# KiCad board A64-OlinuXino_Rev_E.kicad_pcb (continued)
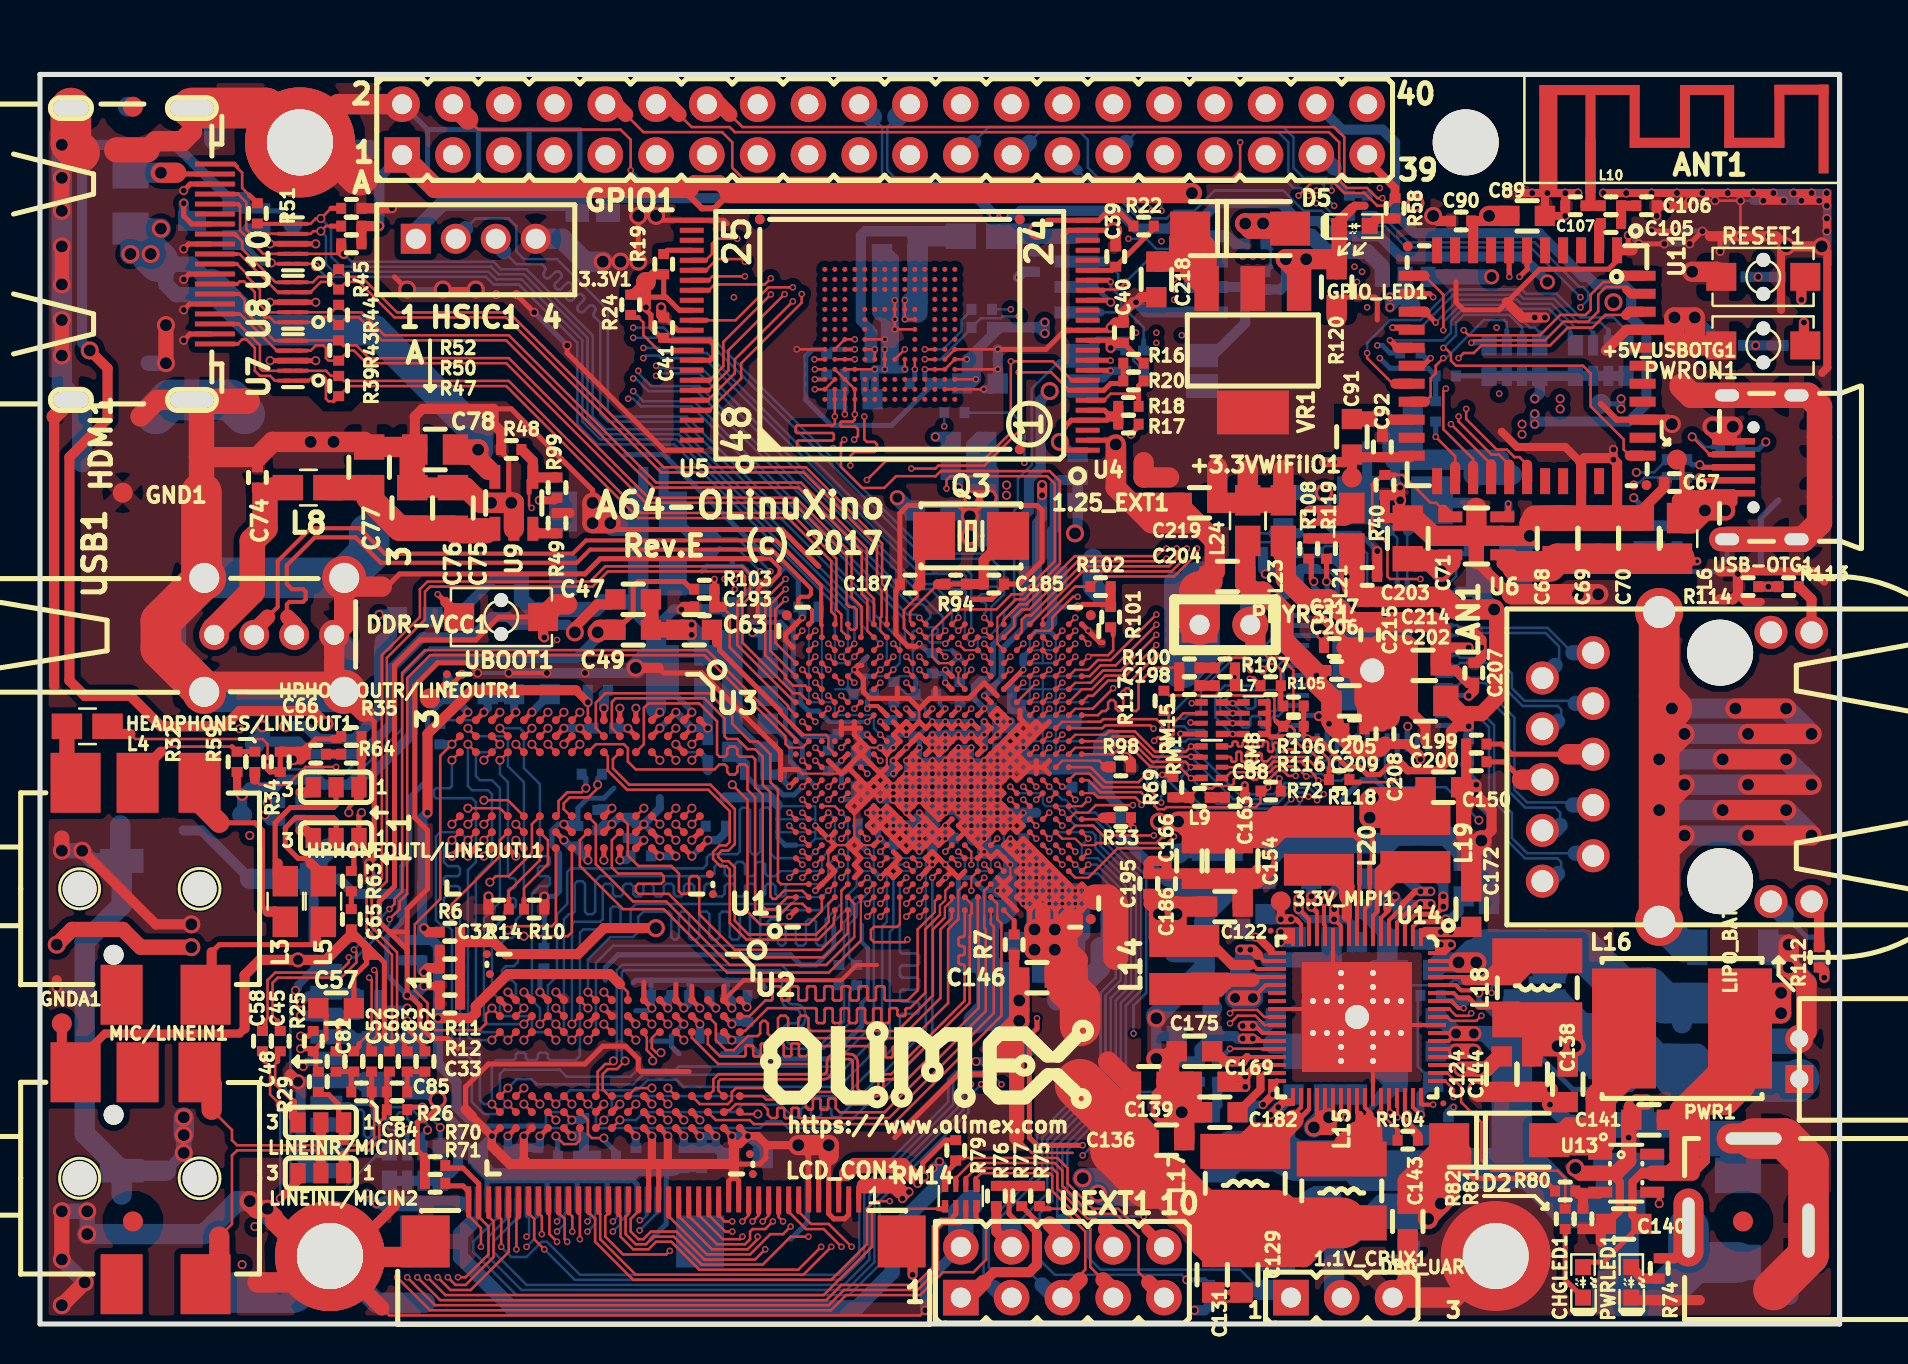
[diagram p0: board, top side]
## Nets (continued)
/Power Supply, Extensions and MiPi-DSI/3.3V_MIPI: 3.3V_MIPI1.1 C162.2 MIPI-DSI1.2 U14.16
/USB&HDMI,WiFi&BT,Ethernet,LCD/VDD33: C201.1 C202.1 C203.2 C216.2 C217.2 L21.1 LAN1.11 LAN1.13 R106.1 R108.2 R110.1 R111.1 R116.2 R119.2 RM8.1.1 RM8.2.1 RM8.3.1 RM8.4.1 U15.1 U15.12 U15.16 U15.34 U15.40
GND: ANT1.2 C1.2 C2.2 C3.2 C4.2 C5.2 C6.2 C7.2 C8.2 C9.2 C10.2 C12.2 C13.2 C14.2 C15.2 C16.2 C17.2 C18.2 C19.2 C20.2 C21.2 C22.1 C23.2 C24.2 C25.2 C26.2 C27.2 C28.2 C29.2 C30.2 C31.2 C33.1 C34.1 C35.1 C36.1 C37.1 C38.1 C39.2 C40.2 C41.2 C42.2 C43.2 C44.2 C64.2 C67.2 C68.1 C69.1 C70.1 C71.2 C72.1 C73.1 C74.2 C75.1 C76.1 C77.1 C78.2 C79.1 C80.2 C81.1 C88.1 C89.1 C90.1 C91.1 C92.1 C93.1 C106.1 C107.1 C109.2 C110.1 C115.1 C116.1 C117.1 C118.1 C119.1 C120.1 C121.2 C122.1 C123.1 C124.2 C125.1 C126.1 C127.1 C128.2 C129.1 C130.1 C131.1 C132.1 C133.1 C134.1 C136.1 C137.1 C138.2 C139.1 C140.1 C141.1 C142.1 C143.1 C144.2 C145.1 C146.1 C147.2 C148.1 C149.2 C150.1 C151.2 C152.2 C153.1 C154.1 C155.1 C156.1 C157.1 C158.1 C159.1 C160.1 C161.1 C162.1 C163.1 C164.1 C165.1 C166.1 C167.1 C168.1 C169.2 C170.1 C171.2 C172.1 C173.2 C174.1 C175.2 C176.1 C177.1 C178.1 C179.1 C180.1 C181.1 C182.1 C183.2 C184.2 C185.2 C186.1 C187.2 C188.1 C189.1 C190.1 C191.1 C192.1 C193.1 C194.1 C195.1 C196.1 C197.2 C199.1 C200.1 C201.2 C202.2 C203.1 C204.1 C205.1 C206.1 C207.1 C208.1 C209.1 C210.1 C211.1 C212.1 C213.1 C214.1 C215.1 C216.1 C217.1 C218.2 C219.2 D1.2 DBG_UART1.3 GND1.1 GPIO1.2 GPIO_LED1.1 HDMI1.0 HDMI1.2 HDMI1.5 HDMI1.8 HDMI1.11 HDMI1.17 HSIC1.4 L7.2 LCD_CON1.0 LCD_CON1.2 LCD_CON1.4 LCD_CON1.5 LCD_CON1.6 LCD_CON1.13 LCD_CON1.14 LCD_CON1.21 LCD_CON1.22 LIPO_BAT1.2 MICRO_SD1.6 MICRO_SD1.10 MICRO_SD1.11 MICRO_SD1.12 MICRO_SD1.13 MIPI-DSI1.3 MIPI-DSI1.9 MIPI-DSI1.12 MIPI-DSI1.15 MIPI-DSI1.18 Mounting_hole1.0 Mounting_hole2.0 Mounting_hole3.0 PHYRST1.1 PWR1.- PWRLED1.1 PWRON1.2 R7.1 R8.1 R9.2 R10.2 R12.1 R13.2 R14.2 R36.1 R40.1 R41.1 R42.1 R48.1 R49.1 R52.2 R55.2 R81.2 R83.2 R84.1 R96.2 R97.2 R98.2 R107.2 R114.1 R115.2 R120.2 RESET1.2 U1.A1 U1.A23 U1.AC23 U1.C3 U1.C7 U1.D7 U1.G6 U1.G11 U1.H4 U1.H13 U1.J9 U1.J10 U1.J11 U1.J14 U1.J15 U1.K8 U1.K9 U1.K10 U1.K11 U1.K12 U1.K13 U1.L4 U1.L5 U1.L9 U1.L10 U1.L11 U1.L12 U1.L15 U1.M3 U1.M8 U1.M9 U1.M10 U1.M11 U1.M12 U1.M15 U1.N4 U1.N9 U1.N10 U1.N11 U1.N12 U1.N13 U1.N15 U1.P7 U1.P8 U1.P9 U1.P10 U1.P11 U1.P12 U1.P13 U1.R5 U1.R6 U1.R7 U1.R8 U1.R9 U1.R10 U1.R11 U1.R12 U1.R15 U1.T8 U1.T9 U1.T10 U1.T11 U1.T12 U1.T13 U1.U2 U1.U5 U1.U7 U1.U8 U1.U9 U1.U11 U1.U12 U1.V8 U1.V14 U2.A9 U2.B1 U2.B3 U2.B9 U2.D1 U2.D8 U2.E1 U2.E2 U2.E8 U2.F9 U2.G1 U2.G8 U2.G9 U2.J2 U2.J8 U2.M1 U2.M9 U2.P1 U2.P9 U2.T1 U2.T9 U3.A9 U3.B1 U3.B3 U3.B9 U3.D1 U3.D8 U3.E1 U3.E2 U3.E8 U3.F9 U3.G1 U3.G8 U3.G9 U3.J2 U3.J8 U3.M1 U3.M9 U3.P1 U3.P9 U3.T1 U3.T9 U4.2 U4.13 U4.23 U4.25 U4.36 U4.48 U5.A6 U5.C4 U5.E7 U5.G5 U5.H10 U5.J5 U5.K8 U5.N2 U5.N5 U5.P4 U5.P6 U6.2 U7.3 U7.8 U8.3 U8.8 U9.2 U10.3 U10.8 U11.1 U11.20 U11.31 U11.33 U11.36 U11.41 U12.4 U13.2 U14.12 U14.25 U14.45 U14.59 U14.69 U15.29 U15.49 UBOOT1.2 UEXT1.2 USB1.0 USB1.4 USB-OTG1.0 USB-OTG1.5 VR1.1 WP_Enable1.1
GNDA: C46.2 C47.1 C48.1 C49.2 C50.1 C51.2 C53.2 C54.1 C55.2 C56.1 C57.1 C59.2 C62.2 C63.2 C65.1 C66.1 GNDA1.1 MIC/LINEIN1.2 R27.2 R34.1 R35.1 R36.2 U1.A11
VBAT: C135.2 C180.2 LIPO_BAT1.1 R78.2 U14.64
VCC-PC: C34.2 C35.2 C36.2 PWR_PC1.2 R21.2 R23.2 R67.2 U1.R16 U5.C6 U5.M4 U5.N4 U5.P3 U5.P5 VCC-PC1.1
VCC-PE: 3.3V/VCC-PE:2.8V1.1 C171.1 GPIO1.40 U14.28
VCC-PL: C109.1 C173.1 R88.2 R90.2 U1.J16 U14.29 VCC-PL1.1
VDDFB-CPUX: U1.T6 U14.41 U14.42
/NAND Flash , eMMC, T-Card and Audio/HP-DET: R59.2 U1.D11
/NAND Flash , eMMC, T-Card and Audio/HPOUTFB: L4.1 R34.2 U1.C10
/NAND Flash , eMMC, T-Card and Audio/HPOUTL: HPHONEOUTL/LINEOUTL1.1 R63.2 U1.C13
/NAND Flash , eMMC, T-Card and Audio/HPOUTR: HPHONEOUTR/LINEOUTR1.1 R35.2 R64.2 U1.C12
/NAND Flash , eMMC, T-Card and Audio/LINEINL: C58.2 U1.B14
/NAND Flash , eMMC, T-Card and Audio/LINEINR: C45.2 U1.A14
/NAND Flash , eMMC, T-Card and Audio/LINEOUTL: C87.1 U1.D16
/NAND Flash , eMMC, T-Card and Audio/LINEOUTR: C86.1 U1.C16
/NAND Flash , eMMC, T-Card and Audio/MBIAS: R25.2 U1.E14
/NAND Flash , eMMC, T-Card and Audio/MICIN1N: C82.2 U1.B16
/NAND Flash , eMMC, T-Card and Audio/MICIN1P: C52.2 U1.B15
/NAND Flash , eMMC, T-Card and Audio/MICIN2N: C83.2 U1.A17
/NAND Flash , eMMC, T-Card and Audio/MICIN2P: C60.2 U1.B17
/NAND Flash , eMMC, T-Card and Audio/NAND0-DQ0/SDC2-D0: R67.1 U1.M21 U4.29 U5.A3
/NAND Flash , eMMC, T-Card and Audio/NAND0-DQ1/SDC2-D1: U1.L19 U4.30 U5.A4
/NAND Flash , eMMC, T-Card and Audio/NAND0-DQ2/SDC2-D2: U1.K20 U4.31 U5.A5
/NAND Flash , eMMC, T-Card and Audio/NAND0-DQ3/SDC2-D3: U1.H20 U4.32 U5.B2
/NAND Flash , eMMC, T-Card and Audio/NAND0-DQ4/SDC2-D4: U1.P18 U4.41 U5.B3
/NAND Flash , eMMC, T-Card and Audio/NAND0-DQ5/SDC2-D5: U1.L20 U4.42 U5.B4
/NAND Flash , eMMC, T-Card and Audio/NAND0-DQ6/SDC2-D6: U1.J21 U4.43 U5.B5
/NAND Flash , eMMC, T-Card and Audio/NAND0-DQ7/SDC2-D7: U1.R21 U4.44 U5.B6
/NAND Flash , eMMC, T-Card and Audio/NAND0-DQS/SDC2-RST: R23.1 U1.N20 U4.35 U5.K5
/NAND Flash , eMMC, T-Card and Audio/NAND0-RB0/SDC2-CMD: R16.1 R20.1 R21.1 U1.K19 U4.7 U5.M5
/NAND Flash , eMMC, T-Card and Audio/NAND0-RE/SDC2-CLK: R68.2 U1.G20 U4.8
/NAND Flash , eMMC, T-Card and Audio/SDC0-CLK: R33.2 U1.AC8
/NAND Flash , eMMC, T-Card and Audio/SDC0-CMD: MICRO_SD1.3 R31.1 U1.W9
/NAND Flash , eMMC, T-Card and Audio/SDC0-D0: MICRO_SD1.7 RM7.1.2 U1.W13
/NAND Flash , eMMC, T-Card and Audio/SDC0-D1: MICRO_SD1.8 RM7.2.2 U1.AB10
/NAND Flash , eMMC, T-Card and Audio/SDC0-D2: MICRO_SD1.1 RM7.4.2 U1.AB9
/NAND Flash , eMMC, T-Card and Audio/SDC0-D3: MICRO_SD1.2 R30.1 U1.AB6
/NAND Flash , eMMC, T-Card and Audio/SDC0-DET#: MICRO_SD1.9 RM7.3.2 U1.AB8
/Power Supply, Extensions and MiPi-DSI/DC5SET: R84.2 R92.1 U14.62
/Power Supply, Extensions and MiPi-DSI/DSI-CKN: MIPI-DSI1.19 U1.P23
/Power Supply, Extensions and MiPi-DSI/DSI-CKP: MIPI-DSI1.20 U1.N23
/Power Supply, Extensions and MiPi-DSI/DSI-D0N: MIPI-DSI1.7 U1.T23
/Power Supply, Extensions and MiPi-DSI/DSI-D0P: MIPI-DSI1.8 U1.T22
/Power Supply, Extensions and MiPi-DSI/DSI-D1N: MIPI-DSI1.10 U1.R22
/Power Supply, Extensions and MiPi-DSI/DSI-D1P: MIPI-DSI1.11 U1.P22
/Power Supply, Extensions and MiPi-DSI/DSI-D2N: MIPI-DSI1.13 U1.N22
/Power Supply, Extensions and MiPi-DSI/DSI-D2P: MIPI-DSI1.14 U1.M22
/Power Supply, Extensions and MiPi-DSI/DSI-D3N: MIPI-DSI1.16 U1.L22
/Power Supply, Extensions and MiPi-DSI/DSI-D3P: MIPI-DSI1.17 U1.L23
/Power Supply, Extensions and MiPi-DSI/MIPI-DSI-BKL: MIPI-DSI1.6 U1.W8
/Power Supply, Extensions and MiPi-DSI/MIPI-DSI-EN: MIPI-DSI1.5 U1.Y6
/Power Supply, Extensions and MiPi-DSI/MIPI-DSI-RST: MIPI-DSI1.4 U1.AA6
/Power Supply, Extensions and MiPi-DSI/PB0: GPIO1.10 U1.V9
/Power Supply, Extensions and MiPi-DSI/PB1: GPIO1.12 U1.AB7
/Power Supply, Extensions and MiPi-DSI/PB2: GPIO1.14 U1.W10
/Power Supply, Extensions and MiPi-DSI/PB3: GPIO1.16 U1.AA7
/Power Supply, Extensions and MiPi-DSI/PB4: GPIO1.18 U1.W7
/Power Supply, Extensions and MiPi-DSI/PE0: GPIO1.5 U1.AA18
/Power Supply, Extensions and MiPi-DSI/PE1: GPIO1.7 U1.AB23
/Power Supply, Extensions and MiPi-DSI/PE2: GPIO1.9 U1.AA22
/Power Supply, Extensions and MiPi-DSI/PE3: GPIO1.11 U1.AA21
/Power Supply, Extensions and MiPi-DSI/PE4: GPIO1.13 U1.AA19
/Power Supply, Extensions and MiPi-DSI/PE5: GPIO1.15 U1.W17
/Power Supply, Extensions and MiPi-DSI/PE6: GPIO1.17 U1.W20
/Power Supply, Extensions and MiPi-DSI/PE7: GPIO1.19 U1.Y19
/Power Supply, Extensions and MiPi-DSI/PE8: GPIO1.21 U1.AC22
/Power Supply, Extensions and MiPi-DSI/PE9: GPIO1.23 U1.Y17
/Power Supply, Extensions and MiPi-DSI/PE10: GPIO1.25 U1.AB22
/Power Supply, Extensions and MiPi-DSI/PE11: GPIO1.27 U1.W21
/Power Supply, Extensions and MiPi-DSI/PE12: GPIO1.29 U1.AB20
/Power Supply, Extensions and MiPi-DSI/PE13: GPIO1.31 U1.Y22
/Power Supply, Extensions and MiPi-DSI/PE14: GPIO1.33 R101.1 U1.AC20
/Power Supply, Extensions and MiPi-DSI/PE15: GPIO1.35 R102.1 U1.Y23
/Power Supply, Extensions and MiPi-DSI/PE16: R65.2 U1.AB21
/Power Supply, Extensions and MiPi-DSI/PE16/POWERON: GPIO1.37 R28.1 R65.1
/Power Supply, Extensions and MiPi-DSI/PE17/GPIO_LED: GPIO1.39 R58.1 U1.W22
/S0SA0: U1.P5 U2.N3 U3.N3
/S0SA1: U1.R4 U2.P7 U3.P7
/S0SA2: U1.N5 U2.P3 U3.P3
/S0SA3: U1.N6 U2.N2 U3.N2
/S0SA4: U1.P6 U2.P8 U3.P8
/S0SA5: U1.G4 U2.P2 U3.P2
/S0SA6: U1.F3 U2.R8 U3.R8
/S0SA7: U1.E4 U2.R2 U3.R2
/S0SA8: U1.D3 U2.T8 U3.T8
/S0SA9: U1.C4 U2.R3 U3.R3
/S0SA10: U1.M4 U2.L7 U3.L7
/S0SA11: U1.U4 U2.R7 U3.R7
/S0SA12: U1.K5 U2.N7 U3.N7
/S0SA13: U1.E8 U2.T3 U3.T3
/S0SA14: U1.K4 U2.T7 U3.T7
/S0SA15: U1.T4 U2.M7 U3.M7
/S0SBA0: U1.D8 U2.M2 U3.M2
/S0SBA1: U1.R3 U2.N8 U3.N8
/S0SBA2: U1.C6 U2.M3 U3.M3
/S0SCAS: U1.C9 U2.K3 U3.K3
/S0SCK_N: R2.1 R4.1 U2.K7 U3.K7
/S0SCK_P: R2.2 R3.1 U2.J7 U3.J7
/S0SCKE0: U1.J3 U2.K9 U3.K9
/S0SCKE1: U1.H6 U2.J9 U3.J9
/S0SCS0: U1.E5 U2.L2 U3.L2
/S0SCS1: U1.H5 U2.L1 U3.L1
/S0SDQ0: U1.L3 U2.F7
/S0SDQ1: U1.G1 U2.G2
/S0SDQ2: U1.H3 U2.F2
/S0SDQ3: U1.K1 U2.H7
/S0SDQ4: U1.H2 U2.E3
/S0SDQ5: U1.H1 U2.H3
/S0SDQ6: U1.L1 U2.H8
/S0SDQ7: U1.L2 U2.F8
/S0SDQ8: U1.T3 U2.A7
/S0SDQ9: U1.T2 U2.C8
/S0SDQ10: U1.T1 U2.B8
/S0SDQ11: U1.R2 U2.D7
/S0SDQ12: U1.N3 U2.A3
/S0SDQ13: U1.N2 U2.C2
/S0SDQ14: U1.N1 U2.C3
/S0SDQ15: U1.M2 U2.A2
/S0SDQ16: U1.E3 U3.F7
/S0SDQ17: U1.F2 U3.H8
/S0SDQ18: U1.E2 U3.H7
/S0SDQ19: U1.E1 U3.F8
/S0SDQ20: U1.B1 U3.H3
/S0SDQ21: U1.B2 U3.F2
/S0SDQ22: U1.A2 U3.E3
/S0SDQ23: U1.B3 U3.G2
/S0SDQ24: U1.C5 U3.A7
/S0SDQ25: U1.B4 U3.C8
/S0SDQ26: U1.A4 U3.D7
/S0SDQ27: U1.A5 U3.B8
/S0SDQ28: U1.A7 U3.A3
/S0SDQ29: U1.A8 U3.C3
/S0SDQ30: U1.B8 U3.A2
/S0SDQ31: U1.B9 U3.C2
/S0SDQM0: U1.J2 U2.E7
/S0SDQM1: U1.P3 U2.D3
/S0SDQM2: U1.C2 U3.E7
/S0SDQM3: U1.B7 U3.D3
/S0SDQS0_N: U1.K2 U2.G3
/S0SDQS0_P: U1.K3 U2.F3
/S0SDQS1_N: U1.P2 U2.B7
/S0SDQS1_P: U1.P1 U2.C7
/S0SDQS2_N: U1.D1 U3.G3
/S0SDQS2_P: U1.D2 U3.F3
/S0SDQS3_N: U1.B5 U3.B7
/S0SDQS3_P: U1.B6 U3.C7
/S0SODT0: U1.D5 U2.K1 U3.K1
/S0SODT1: U1.E7 U2.J1 U3.J1
/S0SRAS: U1.F7 U2.J3 U3.J3
/S0SRST: R1.1 U1.D10 U2.T2 U3.T2
/S0SVREF: C22.2 C32.1 C33.2 R6.2 R11.1 R12.2 U1.G5
/S0SWE: U1.C8 U2.L3 U3.L3
/USB&HDMI,WiFi&BT,Ethernet,LCD/1.25_EXT: 1.25_EXT1.1 C219.1 L23.2 L24.2 R120.1 VR1.2
/USB&HDMI,WiFi&BT,Ethernet,LCD/AP-WAKE-BT: U1.B20 U11.6
/USB&HDMI,WiFi&BT,Ethernet,LCD/BT-PCM-CLK: U1.AB18 U11.26
/USB&HDMI,WiFi&BT,Ethernet,LCD/BT-PCM-DIN: U1.AC19 U11.27
/USB&HDMI,WiFi&BT,Ethernet,LCD/BT-PCM-DOUT: U1.U22 U11.25
/USB&HDMI,WiFi&BT,Ethernet,LCD/BT-PCM-SYNC: U1.AB19 U11.28
/USB&HDMI,WiFi&BT,Ethernet,LCD/BT-RST-N: RM12.2.2 U1.A20 U11.34
/USB&HDMI,WiFi&BT,Ethernet,LCD/BT-UART-CTS: U1.AC17 U11.44
/USB&HDMI,WiFi&BT,Ethernet,LCD/BT-UART-RX: RM12.4.2 U1.AB17 U11.43
/USB&HDMI,WiFi&BT,Ethernet,LCD/BT-UART-TX: U1.U23 U11.42
/USB&HDMI,WiFi&BT,Ethernet,LCD/BT-WAKE-AP: U1.D19 U11.7
/USB&HDMI,WiFi&BT,Ethernet,LCD/EPHY-RST#: R117.2 U1.Y14
/USB&HDMI,WiFi&BT,Ethernet,LCD/GCLKIN/LCD_VSYNC: C93.2 LCD_CON1.30 R109.1 U1.AC11
/USB&HDMI,WiFi&BT,Ethernet,LCD/GMDC/LCD-PWM: LCD_CON1.36 U1.Y13 U15.36
/USB&HDMI,WiFi&BT,Ethernet,LCD/GMDIO/LCD_PWR: LCD_CON1.35 R108.1 U1.AC10 U15.37
/USB&HDMI,WiFi&BT,Ethernet,LCD/GRXCK/LCD_D18: C198.1 LCD_CON1.7 R100.1 U1.AC16
/USB&HDMI,WiFi&BT,Ethernet,LCD/GRXCTL/LCD_D19: LCD_CON1.8 R105.1 U1.AB16
/USB&HDMI,WiFi&BT,Ethernet,LCD/GRXD0/LCD_D15: LCD_CON1.20 RM15.1.2 U1.Y16
/USB&HDMI,WiFi&BT,Ethernet,LCD/GRXD1/LCD_D14: LCD_CON1.19 RM15.2.2 U1.W16
/USB&HDMI,WiFi&BT,Ethernet,LCD/GRXD2/LCD_D13: LCD_CON1.18 RM15.3.2 U1.AA13
/USB&HDMI,WiFi&BT,Ethernet,LCD/GRXD3/LCD_D12: LCD_CON1.17 RM15.4.2 U1.V17
/USB&HDMI,WiFi&BT,Ethernet,LCD/GTXCK/LCD_DE: LCD_CON1.32 R69.1 U1.AB12
/USB&HDMI,WiFi&BT,Ethernet,LCD/GTXCTL/LCD_HSYNC: LCD_CON1.29 R72.1 U1.AB11
/USB&HDMI,WiFi&BT,Ethernet,LCD/GTXD0/LCD_CLK: LCD_CON1.31 RM1.2.2 U1.AB13
/USB&HDMI,WiFi&BT,Ethernet,LCD/GTXD1/LCD_D23: LCD_CON1.12 RM1.1.2 U1.AC13
/USB&HDMI,WiFi&BT,Ethernet,LCD/GTXD2/LCD_D22: LCD_CON1.11 RM1.3.2 U1.AC14
/USB&HDMI,WiFi&BT,Ethernet,LCD/GTXD3/LCD_D21: LCD_CON1.10 RM1.4.2 U1.AB14
/USB&HDMI,WiFi&BT,Ethernet,LCD/HCEC: FET1.2 R46.2 U1.F21 U10.1 U10.10
/USB&HDMI,WiFi&BT,Ethernet,LCD/HHPD: R51.1 R52.1 U1.E21 U10.5 U10.6
/USB&HDMI,WiFi&BT,Ethernet,LCD/HSCL: HDMI1.15 R47.2 U1.G21 U10.2 U10.9
/USB&HDMI,WiFi&BT,Ethernet,LCD/HSDA: HDMI1.16 R50.2 U1.E20 U10.4 U10.7
/USB&HDMI,WiFi&BT,Ethernet,LCD/HTX0N: HDMI1.9 R44.1 U1.G23 U8.2 U8.9
/USB&HDMI,WiFi&BT,Ethernet,LCD/HTX0P: HDMI1.7 R44.2 U1.G22 U8.1 U8.10
/USB&HDMI,WiFi&BT,Ethernet,LCD/HTX1N: HDMI1.6 R43.2 U1.F22 U7.5 U7.6
/USB&HDMI,WiFi&BT,Ethernet,LCD/HTX1P: HDMI1.4 R43.1 U1.E23 U7.4 U7.7
/USB&HDMI,WiFi&BT,Ethernet,LCD/HTX2N: HDMI1.3 R39.1 U1.E22 U7.2 U7.9
/USB&HDMI,WiFi&BT,Ethernet,LCD/HTX2P: HDMI1.1 R39.2 U1.D23 U7.1 U7.10
/USB&HDMI,WiFi&BT,Ethernet,LCD/HTXCN: HDMI1.12 R45.2 U1.H23 U8.5 U8.6
/USB&HDMI,WiFi&BT,Ethernet,LCD/HTXCP: HDMI1.10 R45.1 U1.H22 U8.4 U8.7
/USB&HDMI,WiFi&BT,Ethernet,LCD/LCD_D2: LCD_CON1.23 U1.AA20
/USB&HDMI,WiFi&BT,Ethernet,LCD/LCD_D3: LCD_CON1.24 U1.AA17
/USB&HDMI,WiFi&BT,Ethernet,LCD/LCD_D4: LCD_CON1.25 U1.W19
/USB&HDMI,WiFi&BT,Ethernet,LCD/LCD_D5: LCD_CON1.26 U1.AA14
/USB&HDMI,WiFi&BT,Ethernet,LCD/LCD_D6: LCD_CON1.27 U1.V18
/USB&HDMI,WiFi&BT,Ethernet,LCD/LCD_D7: LCD_CON1.28 U1.AA15
/USB&HDMI,WiFi&BT,Ethernet,LCD/LCD_D10: LCD_CON1.15 U1.Y11
/USB&HDMI,WiFi&BT,Ethernet,LCD/LCD_D11: LCD_CON1.16 U1.AA16
/USB&HDMI,WiFi&BT,Ethernet,LCD/LCD_D20: LCD_CON1.9 U1.AB15
/USB&HDMI,WiFi&BT,Ethernet,LCD/MDI[0]+: LAN1.1 U15.2
/USB&HDMI,WiFi&BT,Ethernet,LCD/MDI[0]-: LAN1.2 U15.3
/USB&HDMI,WiFi&BT,Ethernet,LCD/MDI[1]+: LAN1.3 U15.5
/USB&HDMI,WiFi&BT,Ethernet,LCD/MDI[1]-: LAN1.4 U15.6
/USB&HDMI,WiFi&BT,Ethernet,LCD/MDI[2]+: LAN1.7 U15.7
/USB&HDMI,WiFi&BT,Ethernet,LCD/MDI[2]-: LAN1.8 U15.8
/USB&HDMI,WiFi&BT,Ethernet,LCD/MDI[3]+: LAN1.9 U15.10
/USB&HDMI,WiFi&BT,Ethernet,LCD/MDI[3]-: LAN1.10 U15.11
/USB&HDMI,WiFi&BT,Ethernet,LCD/PH7/CTP-INT: LCD_CON1.37 U1.AC5
/USB&HDMI,WiFi&BT,Ethernet,LCD/PH8/CTP-RST: LCD_CON1.38 U1.Y10
/USB&HDMI,WiFi&BT,Ethernet,LCD/PHYAD0: LAN1.14 R112.1
/USB&HDMI,WiFi&BT,Ethernet,LCD/PHYAD1: LAN1.12 R113.1
/USB&HDMI,WiFi&BT,Ethernet,LCD/USB0-ID: R37.1 U1.AA8 USB-OTG1.4
/USB&HDMI,WiFi&BT,Ethernet,LCD/USB0-VBUSDET: C72.2 R38.1 R42.2 U1.AB4
/USB&HDMI,WiFi&BT,Ethernet,LCD/USB1-DM: U1.C22 USB1.2
/USB&HDMI,WiFi&BT,Ethernet,LCD/USB1-DP: U1.B23 USB1.3
/USB&HDMI,WiFi&BT,Ethernet,LCD/WL-PMU-EN: RM9.4.2 U1.A19 U11.12
/USB&HDMI,WiFi&BT,Ethernet,LCD/WL-SDIO-CLK: R54.2 U1.V21
/USB&HDMI,WiFi&BT,Ethernet,LCD/WL-SDIO-CMD: RM12.1.2 U1.U20 U11.16
/USB&HDMI,WiFi&BT,Ethernet,LCD/WL-SDIO-D0: RM9.1.2 U1.U19 U11.18
/USB&HDMI,WiFi&BT,Ethernet,LCD/WL-SDIO-D1: RM12.3.2 U1.V22 U11.19
/USB&HDMI,WiFi&BT,Ethernet,LCD/WL-SDIO-D2: RM9.3.2 U1.Y21 U11.14
/USB&HDMI,WiFi&BT,Ethernet,LCD/WL-SDIO-D3: RM9.2.2 U1.W23 U11.15
/USB&HDMI,WiFi&BT,Ethernet,LCD/WL-WAKE-AP: U1.E19 U11.13
/VREF0_DDR3: C11.2 C23.1 C24.1 C25.1 R5.1 R6.1 R8.2 U2.H1 U2.M8 U3.H1 U3.M8
AP-CK32KO: R60.2 R61.1 U1.B18
AP-NMI#: R85.1 U1.G18 U14.61
AP-RESET#: C156.2 GPIO1.4 R89.2 R104.2 R118.2 U1.E17 U14.46
IPS: C126.2 C128.1 C133.2 C140.2 C141.2 C145.2 C147.1 C153.2 C157.2 C159.2 C167.2 C169.1 C176.2 CHGLED1.2 IPS1.1 L16.1 T1.4 T1.8 U13.5 U14.4 U14.6 U14.11 U14.15 U14.19 U14.22 U14.32 U14.38 U14.39 U14.40 U14.55 U14.56 U14.66 U14.67
KEYADC: C193.2 GPIO1.8 R103.2 U1.A16
PC4: GPIO1.20 NAND_E1.1 U1.T20
PC7: GPIO1.22 R17.1 R18.2 U1.T19 U4.4 U4.5
PH10: LCD_CON1.33 U1.Y8
PH11: LCD_CON1.34 U1.AA5
PL7: GPIO1.24 U1.C19
PL8: GPIO1.26 U1.B21
PL9: GPIO1.28 U1.D20
PL10: GPIO1.30 U1.D21
PL11: GPIO1.32 U1.C20
PL12: GPIO1.34 U1.D22
PMU-SCK: R88.1 U1.D17 U14.47
PMU-SDA: R90.1 U1.C17 U14.48
SPI0_CLK: RM14.3.2 U1.P20 U4.16 U12.6
SPI0_CS: R53.1 RM14.4.2 U1.P19 U4.10 U12.1
SPI0_MISO: R66.2 RM14.1.2 U1.K18 U4.17 U12.2
SPI0_MOSI: RM14.2.2 U1.T21 U4.18 U12.5
TWI0-SCK: LCD_CON1.39 R70.1 U1.W11
TWI0-SDA: LCD_CON1.40 R71.1 U1.AA10
TWI1-SCK: R75.2 U1.AC4 UEXT1.5
TWI1-SDA: R77.2 U1.AA9 UEXT1.6
UART3-RX: R76.2 U1.AC7 UEXT1.4
UART3-TX: U1.AB5 UEXT1.3
UBOOT: GPIO1.6 U1.F17 UBOOT1.1
USB0-D_N: R87.2 U1.B22 USB-OTG1.2
USB0-D_P: R86.2 U1.A22 USB-OTG1.3
USB0-DRV: R40.2 U6.4 U14.51
USB1-DRV: R48.2 R99.2 U1.U21 U9.4
Net-(3.3V/VCC-PE:2.8V1-Pad2): 3.3V/VCC-PE:2.8V1.2 C194.2 R101.2 R102.2 U1.U18
Net-(ANT1-Pad1): ANT1.1 C107.2 L10.1
Net-(C37-Pad2): C37.2 C38.2 U5.C2
Net-(C39-Pad1): C39.1 R22.1 U4.19
Net-(C42-Pad1): C42.1 C43.1 C44.1 L1.2 U5.E6 U5.F5 U5.J10 U5.K9
Net-(C45-Pad1): C45.1 LINEINR/MICIN1.3
Net-(C48-Pad2): C48.2 C82.1 C84.2
Net-(C51-Pad1): C51.1 C53.1 U1.C11
Net-(C52-Pad1): C52.1 C84.1 LINEINR/MICIN1.1 R29.1
Net-(C54-Pad2): C54.2 C56.2 U1.F12 U1.G13
Net-(C55-Pad1): C55.1 U1.B12
Net-(C57-Pad2): C57.2 R25.1 R26.2 R29.2
Net-(C58-Pad1): C58.1 LINEINL/MICIN2.3
Net-(C59-Pad1): C59.1 R27.1 U1.B11
Net-(C60-Pad1): C60.1 C85.1 LINEINL/MICIN2.1 R26.1
Net-(C61-Pad1): C61.1 U1.E11
Net-(C61-Pad2): C61.2 U1.E10
Net-(C62-Pad1): C62.1 C83.1 C85.2
Net-(C63-Pad1): C63.1 U1.D13
Net-(C64-Pad1): C64.1 L2.2 MICRO_SD1.4
Net-(C65-Pad2): C65.2 R63.1
Net-(C66-Pad2): C66.2 R64.1
Net-(C68-Pad2): C68.2 C69.2 C70.2 L6.1 R38.2 U6.1
Net-(C74-Pad1): C74.1 L8.2 USB1.1
Net-(C75-Pad2): C75.2 C76.2 C77.2 L8.1 U9.1
Net-(C86-Pad2): C86.2 HPHONEOUTR/LINEOUTR1.3
Net-(C87-Pad2): C87.2 HPHONEOUTL/LINEOUTL1.3
Net-(C88-Pad2): C88.2 L9.1
Net-(C105-Pad1): C105.1 U11.2
Net-(C105-Pad2): C105.2 C106.2 L10.2
Net-(C125-Pad2): C125.2 U14.18
Net-(C135-Pad1): C135.1 C138.1 C144.1 L18.1 R78.1 T1.1 T1.2 T1.5 T1.6 T1.7 U14.63
Net-(C143-Pad2): C143.2 D2.1 FET2.2 R80.1
Net-(C149-Pad1): C149.1 U14.35
Net-(C151-Pad1): C151.1 U14.34
Net-(C174-Pad2): C174.2 U14.2
Net-(C177-Pad2): C177.2 R28.2 R91.2 U14.60
Net-(C181-Pad2): C181.2 R92.2 U14.50
Net-(C182-Pad2): C182.2 U14.33
Net-(C183-Pad1): C183.1 Q2.1 R93.1 U1.B19
Net-(C184-Pad1): C184.1 Q2.2 R93.2 U1.C18
Net-(C185-Pad1): C185.1 Q3.1 R94.2
Net-(C187-Pad1): C187.1 Q3.2 U1.K22
Net-(C188-Pad2): C188.2 U1.P16
Net-(C192-Pad2): C192.2 U1.G16
Net-(C196-Pad2): C196.2 LAN1.SH1 LAN1.SH2
Net-(C198-Pad2): C198.2 L7.1
Net-(C199-Pad2): C199.2 LAN1.5
Net-(C200-Pad2): C200.2 LAN1.6
Net-(C204-Pad2): C204.2 C205.2 C206.2 C208.2 C209.2 C210.2 L24.1 U15.14 U15.18 U15.23 U15.26 U15.30 U15.39
Net-(C207-Pad2): C207.2 C214.2 C215.2 L23.1 U15.4 U15.9 U15.44
Net-(C211-Pad2): C211.2 PHYRST1.2 R116.1 R117.1 R118.1 U15.42
Net-(C212-Pad2): C212.2 Q4.1 U15.46
Net-(C213-Pad2): C213.2 Q4.2 U15.45
Net-(C218-Pad1): C218.1 D5.1 VR1.3
Net-(CHGLED1-Pad1): CHGLED1.1 R82.2
Net-(D2-Pad2): D2.2 L16.2 U13.1
Net-(D4-Pad1): D4.1 DBG_UART1.2
Net-(D4-Pad2): D4.2 R95.1 U1.Y7
Net-(DBG_UART1-Pad1): DBG_UART1.1 U1.V10
Net-(FET1-Pad3): FET1.3 HDMI1.13
Net-(FUSE1-Pad2): FUSE1.2 HDMI1.18
Net-(GPIO_LED1-Pad2): GPIO_LED1.2 R58.2
Net-(HDMI1-Pad14): HDMI1.14
Net-(HDMI1-Pad19): HDMI1.19 R51.2
Net-(HEADPHONES/LINEOUT1-Pad1): HEADPHONES/LINEOUT1.1 L5.2
Net-(HEADPHONES/LINEOUT1-Pad2): HEADPHONES/LINEOUT1.2 L4.2
Net-(HEADPHONES/LINEOUT1-Pad3): HEADPHONES/LINEOUT1.3 L3.2
Net-(HEADPHONES/LINEOUT1-Pad4): HEADPHONES/LINEOUT1.4 R32.1 R59.1
Net-(HEADPHONES/LINEOUT1-Pad5): HEADPHONES/LINEOUT1.5
Net-(HPHONEOUTL/LINEOUTL1-Pad2): HPHONEOUTL/LINEOUTL1.2 L5.1
Net-(HPHONEOUTR/LINEOUTR1-Pad2): HPHONEOUTR/LINEOUTR1.2 L3.1
Net-(HSIC1-Pad1): HSIC1.1 HSIC_E1.2
Net-(HSIC1-Pad2): HSIC1.2 U1.H19
Net-(HSIC1-Pad3): HSIC1.3 U1.G19
Net-(L9-Pad2): L9.2 R69.2 U15.24
Net-(L14-Pad1): L14.1 U14.21
Net-(L15-Pad1): L15.1 U14.43 U14.44
Net-(L17-Pad1): L17.1 U14.36 U14.37
Net-(L18-Pad2): L18.2 U14.65
Net-(L19-Pad1): L19.1 U14.7
Net-(L20-Pad1): L20.1 U14.10
Net-(LINEINL/MICIN2-Pad2): LINEINL/MICIN2.2 MIC/LINEIN1.1
Net-(LINEINR/MICIN1-Pad2): LINEINR/MICIN1.2 MIC/LINEIN1.3
Net-(MIC/LINEIN1-Pad4): MIC/LINEIN1.4
Net-(MIC/LINEIN1-Pad5): MIC/LINEIN1.5
Net-(MICRO_SD1-Pad5): MICRO_SD1.5 R33.1
Net-(NAND_E1-Pad2): NAND_E1.2 R15.1 U4.9
Net-(PWRLED1-Pad2): PWRLED1.2 R74.2
Net-(PWRON1-Pad1): PWRON1.1 R91.1
Net-(R3-Pad2): R3.2 U1.G2
Net-(R4-Pad2): R4.2 U1.G3
Net-(R7-Pad2): R7.2 U1.U1
Net-(R9-Pad1): R9.1 U2.L8
Net-(R10-Pad1): R10.1 U3.L8
Net-(R13-Pad1): R13.1 U2.L9
Net-(R14-Pad1): R14.1 U3.L9
Net-(R18-Pad1): R18.1 R20.2 U4.6
Net-(R19-Pad1): R19.1 U4.28
Net-(R24-Pad2): R24.2 U4.38
Net-(R41-Pad2): R41.2 U6.3
Net-(R49-Pad2): R49.2 U9.3
Net-(R54-Pad1): R54.1 U11.17
Net-(R55-Pad1): R55.1 R56.1 U12.3 WP_Enable1.2
Net-(R57-Pad1): R57.1 U12.7
Net-(R60-Pad1): R60.1 U11.24
Net-(R66-Pad1): R66.1 U5.H5
Net-(R68-Pad1): R68.1 U5.M6
Net-(R72-Pad2): R72.2 U15.25
Net-(R79-Pad2): R79.2 RM14.4.1 UEXT1.10
Net-(R80-Pad2): R80.2 R81.1 U13.3
Net-(R82-Pad1): R82.1 U14.53
Net-(R83-Pad1): R83.1 U14.30
Net-(R86-Pad1): R86.1 U14.26
Net-(R87-Pad1): R87.1 U14.27
Net-(R89-Pad1): R89.1 RESET1.1
Net-(R94-Pad1): R94.1 U1.K23
Net-(R96-Pad1): R96.1 U1.H14
Net-(R97-Pad1): R97.1 U1.AA11
Net-(R98-Pad1): R98.1 U1.AA12
Net-(R100-Pad2): R100.2 R107.1 U15.35
Net-(R105-Pad2): R105.2 R106.2 U15.33
Net-(R109-Pad2): R109.2 R110.2 U15.41
Net-(R111-Pad2): R111.2 R112.2 U15.17
Net-(R113-Pad2): R113.2 R114.2 U15.15
Net-(R115-Pad1): R115.1 U15.48
Net-(R119-Pad1): R119.1 U15.38
Net-(RM1-Pad1.1): RM1.1.1 U15.20
Net-(RM1-Pad2.1): RM1.2.1 U15.19
Net-(RM1-Pad3.1): RM1.3.1 U15.21
Net-(RM1-Pad4.1): RM1.4.1 U15.22
Net-(RM14-Pad1.1): RM14.1.1 UEXT1.7
Net-(RM14-Pad2.1): RM14.2.1 UEXT1.8
Net-(RM14-Pad3.1): RM14.3.1 UEXT1.9
Net-(RM15-Pad1.1): RM8.1.2 RM15.1.1 U15.32
Net-(RM15-Pad2.1): RM8.2.2 RM15.2.1 U15.31
Net-(RM15-Pad3.1): RM8.3.2 RM15.3.1 U15.28
Net-(RM15-Pad4.1): RM8.4.2 RM15.4.1 U15.27
Net-(T1-Pad3): T1.3 U14.52
Net-(U1-PadA13): U1.A13
Net-(U1-PadB10): U1.B10
Net-(U1-PadB13): U1.B13
Net-(U1-PadC14): U1.C14
Net-(U1-PadD14): U1.D14
Net-(U1-PadE16): U1.E16
Net-(U1-PadF16): U1.F16
Net-(U4-Pad3): U4.3
Net-(U4-Pad11): U4.11
Net-(U4-Pad14): U4.14
Net-(U4-Pad15): U4.15
Net-(U4-Pad20): U4.20
Net-(U4-Pad21): U4.21
Net-(U4-Pad22): U4.22
Net-(U4-Pad26): U4.26
Net-(U4-Pad27): U4.27
Net-(U4-Pad33): U4.33
Net-(U4-Pad40): U4.40
Net-(U4-Pad45): U4.45
Net-(U4-Pad46): U4.46
Net-(U4-Pad47): U4.47
Net-(U11-Pad3): U11.3
Net-(U11-Pad4): U11.4
Net-(U11-Pad5): U11.5
Net-(U11-Pad8): U11.8
Net-(U11-Pad10): U11.10
Net-(U11-Pad11): U11.11
Net-(U11-Pad21): U11.21
Net-(U11-Pad23): U11.23
Net-(U11-Pad29): U11.29
Net-(U11-Pad30): U11.30
Net-(U11-Pad32): U11.32
Net-(U11-Pad35): U11.35
Net-(U11-Pad37): U11.37
Net-(U11-Pad38): U11.38
Net-(U11-Pad39): U11.39
Net-(U11-Pad40): U11.40
Net-(U13-Pad6): U13.6
Net-(U14-Pad23): U14.23
Net-(U14-Pad24): U14.24
Net-(U15-Pad13): U15.13
Net-(U15-Pad43): U15.43
Net-(U15-Pad47): U15.47

Pads without a net: ANT1 0; MIPI-DSI1 0; NOREF Fid1; NOREF#2 Fid1; NOREF#3 Fid1; NOREF#5 Fid1; NOREF#6 Fid1; NOREF#7 Fid1; Q2 3 4; U1 fid1 fid2 fid3; U2 FID1 FID2 FID3 FID4; U3 FID1 FID2 FID3 FID4; U5 A1 A2 A7 A8 A9 A10 A11 A12 A13 A14 B1 B7 B8 B9 B10 B11 B12 B13 B14 C1 C3 C5 C7 C8 C9 C10 C11 C12 C13 C14 D1 D2 D3 D4 D12 D13 D14 E1 E2 E3 E5 E8 E9 E10 E12 E13 E14 F1 F2 F3 F10 F12 F13 F14 FID1 FID2 FID3 G1 G2 G3 G10 G12 G13 G14 H1 H2 H3 H12 H13 H14 J1 J2 J3 J12 J13 J14 K1 K2 K3 K6 K7 K10 K12 K13 K14 L1 L2 L3 L12 L13 L14 M1 M2 M3 M7 M8 M9 M10 M11 M12 M13 M14 N1 N3 N6 N7 N8 N9 N10 N11 N12 N13 N14 P1 P2 P7 P8 P9 P10 P11 P12 P13 P14; U11 FID1 FID2; U14 Fid1 Fid2

## Via types
v1: diameter 0.75, hole 0.5, Top to Bottom, 15 vias
v2: diameter 0.9, hole 0.6, Top to Bottom, 141 vias
v3: diameter 0.45, hole 0.3, Top to Bottom, 420 vias
v4: diameter 0.327, hole 0.2, Top to Bottom, 559 vias
v5: diameter 0.406, hole 0.254, Top to Bottom, 31 vias
v6: diameter 0.6, hole 0.4, Top to Bottom, 5 vias

## Routing (per net, layer and track width the routed paths; a pad name or vN(x,y) marks a point on that pad's centre or on a via; arc(x,y) is an arc through that point)
1.1V_CPUS: length 94.6
  Top w0.203: 68.15,21.01 68.15,20.88 67.46,20.19 U14.5
  Top w0.254: U1.H15 v4(42.03,30.12)
  Top w0.305: 68.15,21.01 68.78,21.64 v3(69.04,21.64)
  Top w0.406: v3(69.04,21.64) v3(69.54,21.64)
  In2.Cu w0.305: 41.73,34.59 41.59,34.46 41.59,31.83 42.03,31.4 v4(42.03,30.12)
  In2.Cu w0.508: 41.73,34.59 41.73,35.48 41.99,35.74 41.99,41.97 44.39,44.37 v3(44.78,44.37) 49.58,44.37 50.85,43.1 55.19,43.1 56.46,44.37 68.91,44.37 70.94,46.41 71.83,46.41 73.35,47.93 75.64,47.93 77.29,46.28 v3(79.07,46.28) v3(79.07,45.77)
  In3.Cu w0.508: v3(69.54,21.64) v3(69.04,21.64) 69.16,21.77 69.16,26.09 69.67,26.59 69.67,28.75 69.16,29.26 69.16,35.48 71.58,37.9 74.24,37.9 79.32,42.98 79.32,45.52 v3(79.07,45.77) v3(79.07,46.28)
  Bottom w0.254: C117.2 42.52,30.12 v4(42.03,30.12) ; v3(79.07,45.77) 78.82,46.02 1.1V_CPUS1.1
  Bottom w0.406: v3(79.07,45.77) v3(79.07,46.28)
  Bottom w0.508: v3(44.78,44.37) 45.29,44.37 C120.2 ; 68.15,22.66 68.15,22.4 v3(69.04,21.64) v3(69.54,21.64)
1.1V_CPUX: length 141.6
  Top w0.254: v2(49.73,19.74) 49.5,19.97 U1.W1 ; v4(49.82,21.67) U1.W3 ; v4(49.82,21.67) 49.5,21.35 ; v4(49.82,21.67) U1.Y2 ; v4(49.82,21.67) U1.Y3 ; U1.W3 v4(49.18,22.33) ; U1.W3 v4(49.18,21.67) ; U1.W3 v4(49.82,22.33) ; v4(49.82,22.33) U1.W4 ; v4(49.82,22.33) U1.Y3 ; v4(49.82,22.33) U1.Y4 ; U1.W4 v4(49.82,22.97) ; U1.W4 v4(49.18,22.33) ; U1.W4 v4(49.18,22.97) ; v4(49.82,22.97) U1.W5 ; v4(49.82,22.97) U1.Y4 ; v4(49.82,22.97) 50.15,23.3 ; U1.W5 v4(49.18,23.62) ; U1.W5 v4(49.18,22.97) ; U1.W5 49.82,23.62 ; 49.5,21.35 v4(49.18,21.03) ; 49.5,21.35 49.82,21.03 ; 49.5,21.35 v4(49.18,21.67) ; 49.82,21.03 U1.Y2 ; 49.82,21.03 50.15,20.7 v4(50.47,21.03) ; 49.82,21.03 U1.W1 ; U1.Y2 v4(50.47,21.03) ; U1.Y2 v4(50.47,21.67) ; v4(50.47,21.67) v4(51.12,21.03) ; v4(50.47,21.67) U1.Y3 ; v4(50.47,21.67) U1.AA3 ; 51.45,20.7 v4(51.12,21.03) ; 51.45,20.7 v4(51.78,21.03) ; 51.45,20.7 51.45,20.38 ; v4(51.12,21.03) U1.AB2 ; v4(51.12,21.03) U1.AA1 ; 51.45,20.38 51.78,20.38 U1.AC1 ; 51.45,20.38 51.39,20.38 ; 51.27,19.22 51.38,19.1 ; 52.43,21.03 U1.AC2 ; 52.43,21.03 U1.AC1 ; 52.43,21.03 52.75,21.35 52.43,21.67 ; U1.AC2 52.43,21.67 ; U1.AC2 v4(51.78,21.03) ; U1.AC2 v4(51.78,21.67) ; 49.5,23.95 49.18,24.28 U1.V6 ; 49.5,23.95 49.82,23.62 ; 49.5,23.95 v4(49.18,23.62) ; 49.82,23.62 50.15,23.3 ; 50.15,23.3 50.47,22.97 ; 50.47,22.97 50.8,22.65 ; 50.47,22.97 U1.Y4 ; 50.8,22.65 51.12,22.33 ; 50.8,22.65 v4(50.47,22.33) ; 51.12,22.33 51.45,22 ; 51.12,22.33 U1.AA3 ; 51.45,22 v4(51.78,21.67) ; 51.45,22 v4(51.12,21.67) ; v4(51.78,21.67) 52.1,22 52.43,21.67 ; v4(51.78,21.67) U1.AB2 ; 48.53,23.62 U1.V5 ; 48.53,23.62 U1.U6 v4(48.53,24.28) U1.V6 ; 48.53,23.62 U1.V6 ; U1.V5 v4(49.18,22.97) ; U1.V5 v4(49.18,23.62) ; v4(50.47,22.33) U1.Y3 ; v4(50.47,22.33) U1.AA3 ; v4(50.47,22.33) U1.Y4 ; v4(49.18,22.33) U1.V3 v4(49.18,21.67) ; v4(49.18,22.33) U1.V4 v4(49.18,22.97) ; v4(50.47,21.03) v4(51.12,21.67) ; v4(50.47,21.03) U1.AA1 ; v2(50.75,19.73) 50.8,19.78 U1.AA1 ; v4(49.18,21.03) U1.V2 v4(49.18,21.67) ; v4(49.18,21.03) U1.W1 ; v4(51.12,21.67) U1.AA3 ; v4(51.12,21.67) U1.AB2 ; v4(49.18,23.62) U1.V6 ; U1.AC1 v4(51.78,21.03) ; U1.AB2 v4(51.78,21.03) ; 50.15,19.74 50.15,20.05 50.15,19.74